# KiCad board LizardBot1_ControlBoard_v1.kicad_pcb (continued)
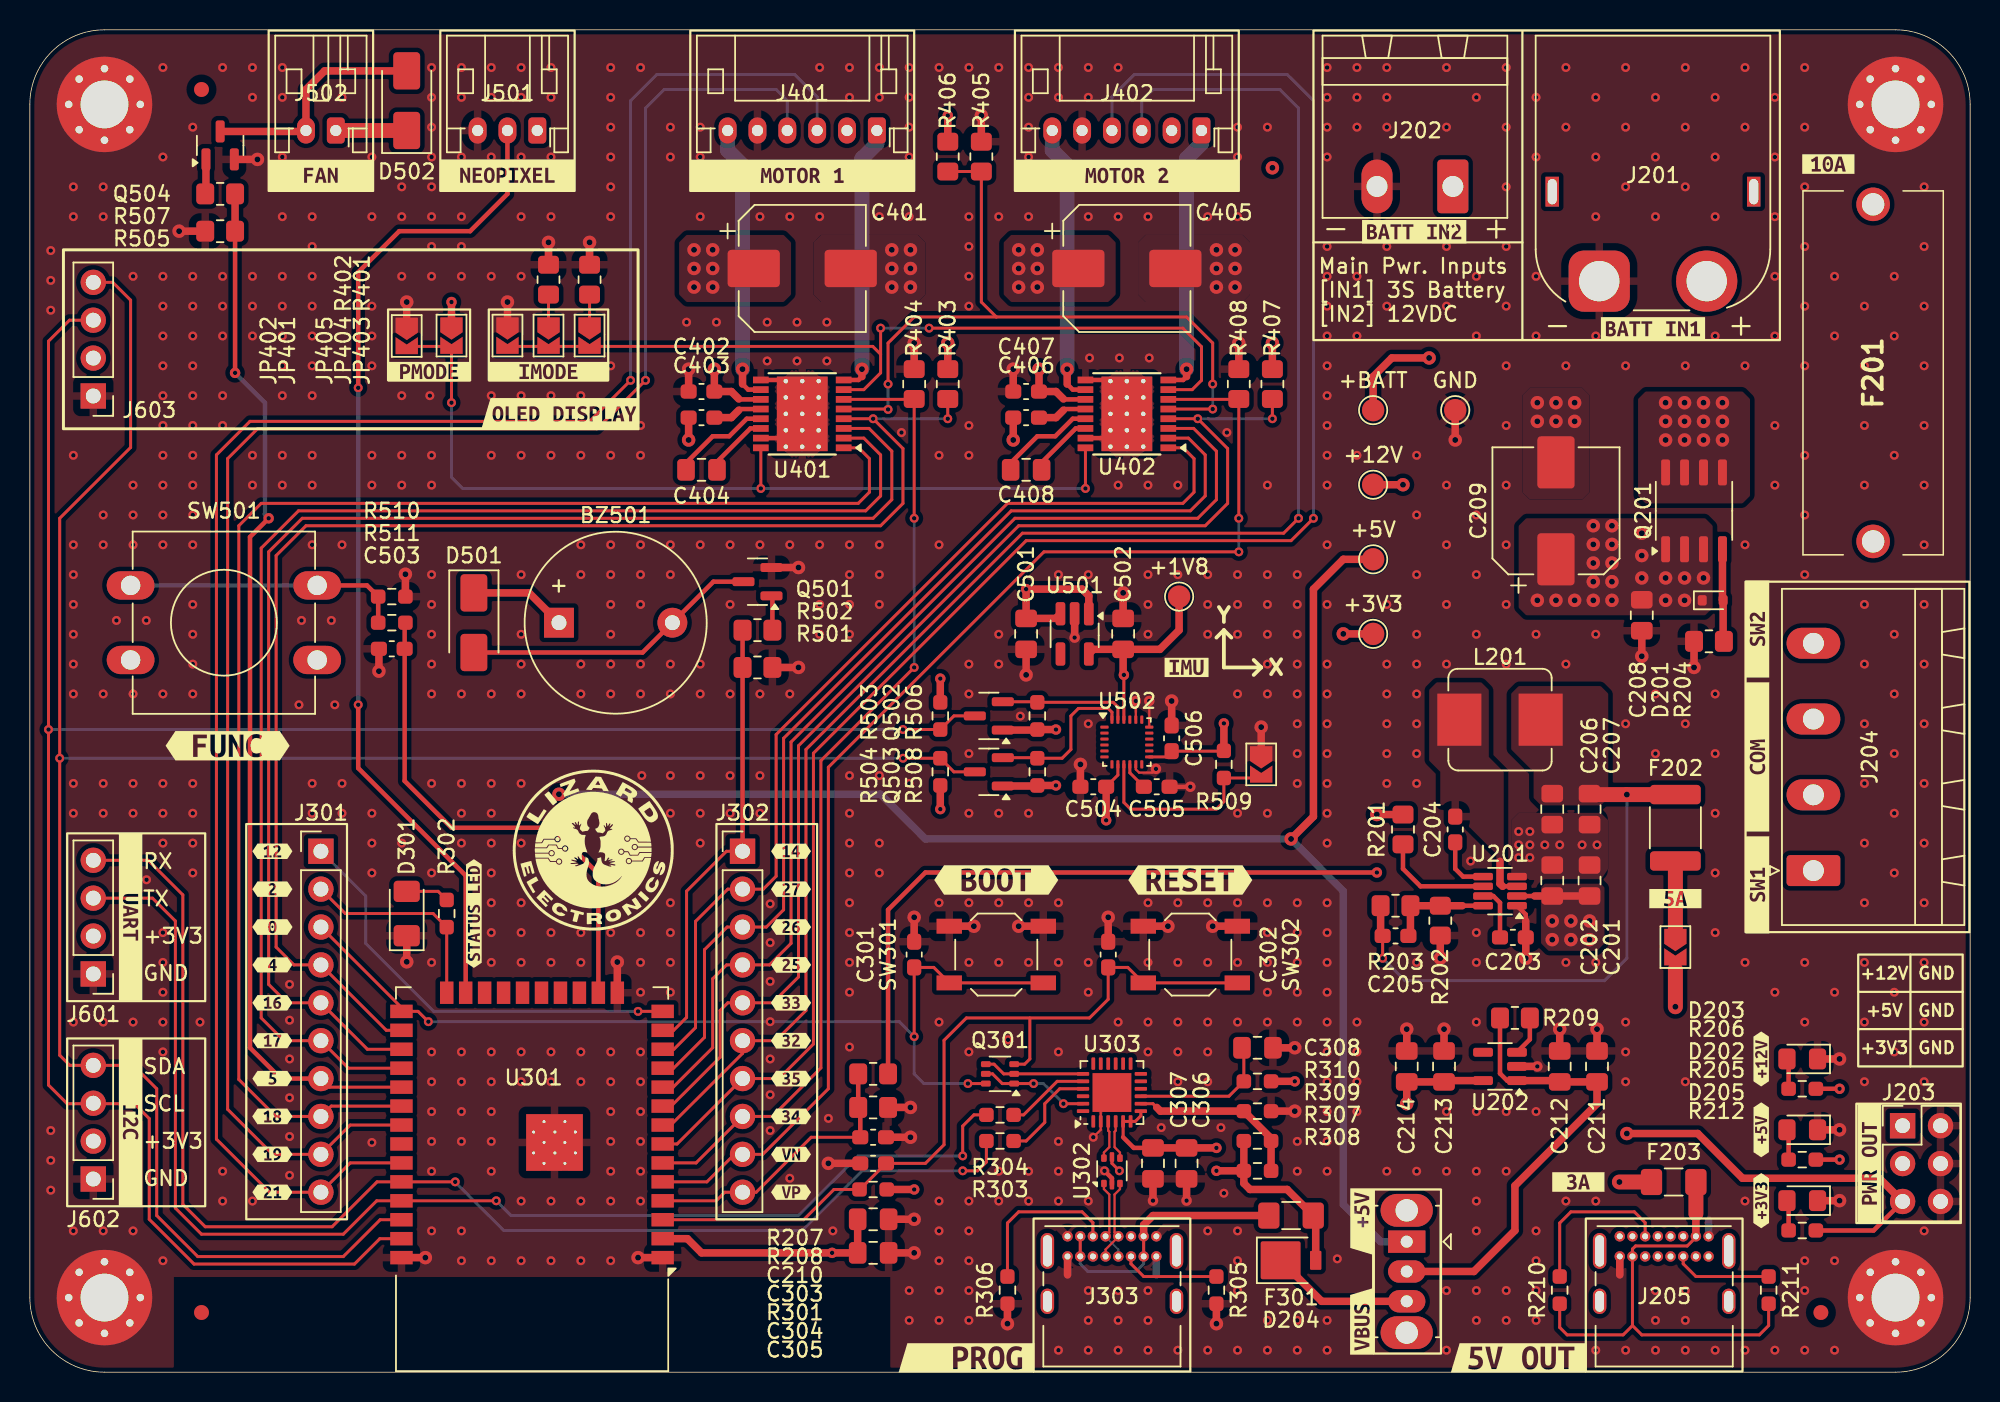
[diagram p0: board, top side]
## Routing (per net, layer and track width the routed paths; a pad name or vN(x,y) marks a point on that pad's centre or on a via; arc(x,y) is an arc through that point) (continued)
VBUS: length 20.7
  Top w0.2: U302.5 72.5,14 v3(73,13.5)
  Top w0.5: R308.1 R307.1 ; R308.1 81.34,12.66 81.75,12.25 84.24,12.25 F301.2 ; R308.1 v2(79.5,13.5) ; D204.2 86.15,10.34
  In2.Cu w0.5: v2(79.5,13.5) v3(73,13.5)
+BATT: length 6.5
  Top w0.5: TP101.1 90,66.75 91.25,68 v1(93.75,68)
/Communication_Interfaces/MCU_RXD0: length 87.6
  Top w0.2: v3(28.5,12.76) U301.34 23.26,12.76 20.25,9.75 11.75,9.75 10.25,11.25 10.25,32 7.93,34.32 J601.4 ; v3(62.5,13.5) 63.5,13.5 64.09,14.09 64.09,15
  Bottom w0.2: 28.5,12.75 31.75,9.5 51.75,9.5 55.75,13.5 v3(62.5,13.5)
/Communication_Interfaces/MCU_SCL: length 149.2
  Top w0.2: J603.3 2.66,70.53 1.25,69.12 1.25,19.25 2.5,18 7,18 8,17 8,10.25 11,7.25 21.75,7.25 23.45,8.95 U301.37 ; v3(58.5,43.09) R503.2 61.91,44 Q502.3
  Bottom w0.2: v3(1.25,43.09) v3(58.5,43.09)
/Communication_Interfaces/MCU_SDA: length 151.8
  Top w0.2: v3(58.5,41.16) R504.2 61.91,40.25 Q503.3 ; U301.36 23.47,10.22 21,7.75 11.25,7.75 8.5,10.5 8.5,19 6.93,20.57 J602.4 2.68,20.57 2,21.25 2,57.25 6.75,62 6.75,71.88 5.56,73.07 J603.4
  Bottom w0.2: v3(2,41.16) v3(58.5,41.16)
/Communication_Interfaces/MCU_TXD0: length 85.8
  Top w0.2: v3(31.25,11.49) U301.35 23.24,11.49 21,9.25 11.5,9.25 9.75,11 9.75,30.25 8.22,31.78 J601.3 ; v3(62.5,14.5) 62.5,16.5 63.25,17.25 R304.1
  Bottom w0.2: 31.25,11.5 v3(31.25,11.49) 32.24,10.5 51.5,10.5 55.5,14.5 v3(62.5,14.5)
/MCU/CP_DTR: length 7.3
  Top w0.2: v3(67.25,19.35) Q301.1 65.15,19.35 64.5,20 Q301.5 ; U303.23 v3(69.25,18)
  Bottom w0.2: v3(67.25,19.35) 67.9,19.35 v3(69.25,18)
/MCU/CP_RST: length 9.6
  Top w0.2: C308.1 81.34,21.62 R310.2 80.34,18.5 U303.9
/MCU/CP_RTS: length 6.8
  Top w0.2: Q301.4 64.6,20.65 65.25,20 Q301.2 U303.19
/MCU/CP_RXD: length 5.6
  Top w0.2: U303.20 68.83,19.5 66.58,17.25 R304.2
/MCU/CP_TXD: length 6.8
  Top w0.2: R303.2 66.75,15.5 68,16.75 68,18 69,19 U303.21
/MCU/CP_USBC_DN: length 2.6
  Top w0.15: U303.4 72.75,16.19 72.68,16.12 72.68,15.09 73.04,14.73 U302.4
/MCU/CP_USBC_DP: length 2.6
  Top w0.15: U303.3 72.25,16.19 72.32,16.12 72.32,15.09 71.96,14.73 U302.6
/MCU/CP_VBUS: length 11.9
  Top w0.2: U303.8 75.25,18 75.5,17.75
  Top w0.5: 75.5,17.75 75.75,17.5 R309.1 83.16,15.68 R307.2 R308.2
/MCU/DRV1_EN_IN1: length 96.8
  Top w0.2: U401.1 55.53,61.97 56.25,61.25 56.25,59 55.5,58.25 15.5,58.25 14,56.75 14,19.62 16.48,17.15 J301.8 20.19,17.84 U301.30
/MCU/DRV1_IPROPI: length 65.4
  Top w0.2: U301.6 44.63,14.03 J302.8 49.75,17.15 53,20.4 53,41 v3(59.25,47.25) ; v3(59.25,57.25) R404.1 59.22,65.22 U401.6
  Bottom w0.2: v3(59.25,57.25) v3(59.25,47.25)
/MCU/DRV1_nFAULT: length 95.2
  Top w0.2: U401.4 v3(56.5,63.92) 58.5,61.92 58.5,58.25 57,56.75 18.5,56.75 16.5,54.75 16.5,28.5 17.69,27.31 J301.4 23.89,22.92 U301.26 ; v3(61.5,63.92) R403.2
  Bottom w0.2: v3(56.5,63.92) v3(61.5,63.92)
/MCU/DRV1_nSLEEP: length 90
  Top w0.2: U301.27 22.61,21.65 J301.5 17.23,24.77 16,26 16,55 18.25,57.25 56.5,57.25 57.75,58.5 57.75,61.75 56.22,63.28 U401.3
/MCU/DRV1_PH_IN2: length 90.9
  Top w0.2: U301.28 21.34,20.38 J301.6 17.03,22.22 15.5,23.75 15.5,55.25 18,57.75 56,57.75 57,58.75 57,61.5 55.88,62.62 U401.2
/MCU/DRV2_EN_IN1: length 65.1
  Top w0.2: U402.1 77.28,61.97 78,61.25 78,59 77.25,58.25 65.5,58.25 50,42.75 50,33.25 49.13,32.39 J302.2 46.76,32.39 44.6,30.22 44.6,23.1 43.15,21.65 U301.12
/MCU/DRV2_IPROPI: length 83.7
  Top w0.2: U301.5 45.36,12.76 47.21,14.6 J302.9 49.1,14.6 53.5,19 53.5,40.56 67.94,55 v3(81,55) ; U402.6 80.97,65.22 R408.1 v3(81,57.25)
  Bottom w0.2: v3(81,57.25) v3(81,55)
/MCU/DRV2_nFAULT: length 80.4
  Top w0.2: v3(78.25,63.92) 80.25,61.92 80.25,58.25 78.75,56.75 66.25,56.75 51.5,42 51.5,26.5 49.76,24.77 J302.5 46.76,24.77 46.25,24.25 46.25,21.12 42.97,17.84 U301.9 ; v3(78.25,63.92) U402.4 ; v3(78.25,63.92) 78.32,63.92 ; v3(83.25,63.92) R407.2
  Bottom w0.2: v3(78.25,63.92) v3(83.25,63.92)
/MCU/DRV2_nSLEEP: length 71.1
  Top w0.2: U402.3 77.97,63.28 79.5,61.75 79.5,58.5 78.25,57.25 66,57.25 51,42.25 51,28.75 49.56,27.31 J302.4 46.68,27.31 45.75,26.38 45.75,21.75 43.1,19.11 U301.10
/MCU/DRV2_PH_IN2: length 68.1
  Top w0.2: U301.11 43.13,20.38 45.2,22.45 45.2,28.33 46.72,29.84 J302.3 49.34,29.84 50.5,31 50.5,42.5 65.75,57.75 77.75,57.75 78.75,58.75 78.75,61.5 77.62,62.62 U402.2
/MCU/ENC1_A: length 118.1
  Top w0.2: v3(41.25,66.5) 38,63.25 15.25,63.25 13.25,61.25 13.25,17.62 16.27,14.6 J301.9 21.47,16.57 U301.31
  Bottom w0.2: v3(41.25,66.5) 41.25,84.75 42.5,86 50,86 50.75,85.25 J401.4
/MCU/ENC1_B: length 125.2
  Top w0.2: U301.33 21.47,14.03 J301.10 16.06,12.06 12.5,15.62 12.5,61.5 14.75,63.75 37.5,63.75 v3(40.25,66.5)
  Bottom w0.2: v3(40.25,66.5) 40.25,85.25 42,87 51.25,87 52.75,85.5 J401.3
/MCU/ENC2_A: length 117.5
  Top w0.2: v3(86,57.25) 84.5,55.75 66.75,55.75 52.5,41.5 52.5,22 50.19,19.69 J302.7 43.37,15.3 U301.7
  Bottom w0.2: v3(86,57.25) 86,85.25 84.25,87 74,87 72.5,85.5 J402.4
/MCU/ENC2_B: length 111
  Top w0.2: v3(85,57.25) 84,56.25 66.5,56.25 52,41.75 52,24.25 49.97,22.22 J302.6 47.75,21.38 42.94,16.57 U301.8
  Bottom w0.2: J402.3 74.5,85.25 75.25,86 83.75,86 85,84.75 v3(85,57.25)
/MCU/MCU_BAT_STATUS: length 19.3
  Top w0.2: C210.1 52.35,15.75 48.66,12.06 J302.10 46.56,12.06 45.99,11.49 U301.4
  Top w0.3: R207.2 R208.1 55.64,17.61 C210.1
/MCU/MCU_BUTTON: length 34.2
  Top w0.3: U301.16 38.09,33.41 35,36.5 28.25,36.5 25.11,39.64 C503.1 ; 25.16,48.55 C503.1 ; C503.1 25.11,50.2 R511.2
/MCU/MCU_BUZZER: length 30.1
  Top w0.2: J302.1 46.68,34.92 44,32.25 44,23.78 43.13,22.92 U301.13
  Top w0.3: J302.1 R501.1 R502.1
/MCU/MCU_EN: length 55.2
  Top w0.2: 67,23.75 67,21 66.65,20.65 Q301.3 ; U301.3 51.84,10.22 53.88,12.25 R301.2 55.61,12.25 C303.2 60,14 61.25,15.25 61.25,22.25 62.75,23.75 71,23.75 72.25,25 C302.2 73.56,27.14 SW302.2 SW302.2
/MCU/MCU_FAN_PWM: length 70.7
  Top w0.2: J301.7 20.08,19.11 U301.29
  Top w0.3: J301.7 16.81,19.69 14.75,21.75 14.75,56 v2(16,57.25) ; 13.75,77.25 v2(13.75,67)
  Top w0.5: R507.1 R505.1
  Bottom w0.3: v2(13.75,67) 15.75,65 15.75,57.5 v2(16,57.25)
/MCU/MCU_IO0: length 64.2
  Top w0.2: v3(59.25,22.5) C301.2 60.56,27.14 SW301.2 SW301.2 ; J301.3 24.9,24.44 U301.25 26.01,24.19 v3(26.7,23.5) ; v3(62.85,19.35) Q301.6
  Bottom w0.2: v3(62.85,19.35) 59.9,19.35 59.25,20 v3(59.25,22.5) 58.25,23.5 v3(26.7,23.5)
/MCU/MCU_IO2_LED: length 13.9
  Top w0.2: U301.24 R302.1 27.02,30.75 21.14,30.75 J301.2
/MCU/MCU_IO12_RES: length 29.4
  Top w0.2: U301.14 v3(40.75,24.19)
  Bottom w0.2: v3(40.75,24.19) 27.06,24.19 22.5,28.75 22.5,31.92 J301.1
  Bottom w0.3: 40.75,24.12 40.62,24.25
/MCU/MCU_NEOPIXEL: length 67.7
  Top w0.3: J501.2 32,79 29.5,76.5 24.75,76.5 22,73.75 v3(22,66) ; v3(22,44.75) 22,40.5 29.2,33.3 U301.23
  Bottom w0.3: v3(22,66) v3(22,44.75)
/MCU/USBC_CC1: length 10.8
  Top w0.2: R306.1 65.5,10 66.25,10.75 70.5,10.75 71.22,10.03 J303.A5
/MCU/USBC_CC2: length 6.6
  Top w0.2: R305.1 74.63,6.41 73.78,7.27 J303.B5
/MCU/USBC_DN: length 5.5
  Top w0.15: J303.B7 72.07,8.23 72.93,9.08 J303.A7 72.68,9.36 72.68,11.91 73.04,12.27 U302.3
/MCU/USBC_DP: length 5.5
  Top w0.15: U302.1 71.96,12.27 72.32,11.91 72.32,9.36 J303.A6
  Bottom w0.15: J303.B6 72.93,8.23 72.07,9.08 J303.A6
/MCU/USBC_VBUS: length 17.8
  Top w0.2: J303.A4 J303.B9 ; J303.A9 J303.B4
  Top w0.5: F301.1 75.25,10.5 74.62,9.88 J303.A9
  Bottom w0.2: J303.B9 70.38,7.27 70.89,6.75 74.11,6.75 74.62,7.27 J303.B4
/Motor_Driver/DRV1_CPH: length 6.7
  Top w0.3: C404.2 43.96,60.96 45.75,62.75 46.86,62.75 48.03,63.92 U401.13
/Motor_Driver/DRV1_CPL: length 4.4
  Top w0.3: C404.1 46.04,61.04 48.28,63.28 U401.14
/Motor_Driver/DRV1_OUT1: length 18.2
  Top w0.3: U401.8 55.53,66.53 55.75,66.75
  Top w0.5: 55.75,66.75 v1(55.75,67.25)
  Bottom w1: v1(55.75,67.25) 55.75,81.38 56.75,82.38 J401.1
/Motor_Driver/DRV1_OUT2: length 18.8
  Top w0.3: 47.75,66.25 48.12,65.88 U401.10
  Top w0.5: 47.75,66.25 v1(47.75,67.25)
  Bottom w1: v1(47.75,67.25) 47.75,80.92 46.75,81.92 J401.6
/Motor_Driver/DRV1_VCP: length 3.4
  Top w0.3: 47.5,64.5 47.57,64.58 U401.12
  Top w0.5: 47.5,64.5 47,64 C403.2
/Motor_Driver/DRV2_CPH: length 6.7
  Top w0.3: C408.2 65.71,60.96 67.5,62.75 68.7,62.75 69.87,63.92 U402.13
/Motor_Driver/DRV2_CPL: length 4.4
  Top w0.3: C408.1 67.79,60.99 70.07,63.28 U402.14
/Motor_Driver/DRV2_OUT1: length 18.2
  Top w0.3: U402.8 77.28,66.53 77.5,66.75
  Top w0.5: 77.5,66.75 v1(77.5,67.25)
  Bottom w1: J402.1 78.5,82.38 77.5,81.38 v1(77.5,67.25)
/Motor_Driver/DRV2_OUT2: length 18.8
  Top w0.3: 69.5,66.25 69.88,65.88 U402.10
  Top w0.5: 69.5,66.25 v1(69.5,67.25)
  Bottom w1: v1(69.5,67.25) 69.5,80.92 68.5,81.92 J402.6
/Motor_Driver/DRV2_VCP: length 3.4
  Top w0.3: U402.12 69.32,64.58 69.25,64.5
  Top w0.5: 69.25,64.5 68.75,64 C407.2
/Motor_Driver/DRV_IMODE: length 57.9
  Top w0.2: U401.7 55.88,65.88 57,67 57,68.25 ; 57,68.25 56.47,68.78 JP403.2 JP404.2 JP405.2 ; 57,68.25 v3(57,70) ; v3(60.25,70) 77.25,70 78.5,68.75 78.5,66.5 77.88,65.88 U402.7
  Bottom w0.2: v3(57,70) v3(60.25,70)
/Motor_Driver/DRV_PMODE: length 60.3
  Top w0.2: U401.16 v3(48.97,59.25) ; v3(28.25,65) JP401.2 25.28,68.78 JP402.2 25.5,68.75 ; v3(70.72,59.25) U402.16
  Bottom w0.2: v3(70.72,59.25) 29,59.25 28.25,60 v3(28.25,65)
/Motor_Driver/DRV_VREF: length 50.4
  Top w0.2: v3(57.5,66.25) 57.5,69 59.25,70.75 64.75,70.75 ; 64.75,70.75 63.75,71.75 R406.1 R405.2 ; 64.75,70.75 77.5,70.75 79.25,69 v3(79.25,66.25) ; v3(57.5,64.55) 57.47,64.58 U401.5 ; U402.5 v3(79.25,64.58)
  Bottom w0.2: v3(79.25,64.58) v3(79.25,66.25) ; v3(57.5,64.55) v3(57.5,66.25)
/Peripherals/BUZZER_GND: length 20
  Top w0.3: D501.2 41.05,48.25 BZ501.2 45.8,53 Q501.3
/Peripherals/FAN_GND: length 15.8
  Top w0.5: Q504.3 18.44,83.19 J502.2 18.5,86 19.75,87.25 D502.2
/Peripherals/IMU_ADR: length 13.8
  Top w0.2: JP501.2 82.31,39.84 R509.2 80,38.25 79.5,37.75 73.75,37.75 73.3,38.2 U502.9
/Peripherals/IMU_SCL: length 8.7
  Top w0.2: U502.23 72.9,44.6 72.59,44.91 R506.2 67.46,44.95 Q502.2
/Peripherals/IMU_SDA: length 10.6
  Top w0.2: U502.24 72.5,44.25 72.25,44.5 70.25,44.5 69.75,44 69.75,41.75 69.16,41.16 R508.2 67.46,41.2 Q503.2
/Power_Supply/BUCK_5V: length 37.9
  Top w0.2: C205.2 v3(90.64,27.75)
  Top w0.5: R203.2 90.5,29.39 C205.2
  Top w1: C207.1 104.56,38.72 v1(107,38.72) F202.1
  Bottom w0.2: v3(90.64,27.75) 92.14,26.25 105.5,26.25 107,27.75 v1(107,38.72)
/Power_Supply/BUCK_BST: length 3.9
  Top w0.3: U201.5 96.03,33.22 95.5,33.75 C204.1
/Power_Supply/BUCK_EN: length 7.5
  Top w0.3: U201.6 93.18,32.58 92,33.75 R201.2
/Power_Supply/BUCK_FB: length 6.9
  Top w0.3: U201.8 96.03,31.28 96,31.25
  Top w0.5: C205.1 92.5,29.39 R203.1 R202.1 95.97,31.28
/Power_Supply/BUCK_SW: length 2.7
  Top w0.3: U201.3 98.68,32.58
  Top w0.5: 98.68,32.58 98.5,32.75 98.5,34.25
/Power_Supply/BUCK_VCC: length 3.6
  Top w0.3: C203.1 98.5,31.48 98.05,31.92 U201.7
/Power_Supply/E_SWITCH:
  vias: v1(109.59,65) v1(109.59,63.75) v1(109.59,62.5) v1(110.87,65) v1(110.87,63.75) v1(110.87,62.5) v1(112.13,65) v1(112.13,63.75) v1(112.13,62.5) v1(113.41,65) v1(113.41,63.75) v1(113.41,62.5)
/Power_Supply/LDO_EN: length 2.7
  Top w0.3: U202.3 100.5,22.31 R209.1
/Power_Supply/LDO_VIN: length 30.8
  Top w0.3: R209.2 98.5,20.03 98.98,19.55 U202.1
  Top w0.5: U202.1 102.16,19.55 102.25,19.46 104.75,19.46 ; C211.1 105,18 99.5,12.5 99.5,9.5 96.75,6.75 SW201.2
Net-(D201-A): length 6.2
  Top w0.5: Q201.4 113.41,51.8 D201.2 113.45,49.05 R204.1
Net-(D202-A): length 2
  Top w0.3: R205.2 117.84,16.14 D202.2
Net-(D203-A): length 2
  Top w0.3: R206.2 117.84,20.89 D203.2
Net-(D204-K): length 9.6
  Top w0.5: SW201.3 86.55,4.75 D204.1
Net-(D205-A): length 2
  Top w0.3: R212.2 117.84,11.39 D205.2
Net-(D301-A): length 2.9
  Top w0.2: D301.2 27.36,32.24 R302.2
Net-(F203-Pad1): length 31.4
  Top w0.2: 107.38,3.12 106.75,2.5 103,2.5 102.5,3 R210.1 ; 107.38,3.12 108,2.5 115.88,2.5 116.5,3.12 R211.1 ; 107.38,3.12 J205.B9 107.38,8.25 107.58,8.46 111.04,8.46 111.62,9.04 J205.A9
  Top w0.5: J205.A9 111.62,10.62
  Top w1: F203.1 111.62,10.62
Net-(J205-CC1): length 10.8
  Top w0.2: R210.2 102.5,10 103.25,10.75 107.5,10.75 108.22,10.03 J205.A5
Net-(J205-CC2): length 6.6
  Top w0.2: J205.B5 110.78,7.27 111.63,6.41 R211.2
Net-(JP201-A): length 5.1
  Top w1: F202.2 JP201.1
Net-(JP403-A): length 2.3
  Top w0.2: JP403.1 37.5,72.5
Net-(JP404-A): length 2
  Top w0.2: JP404.1 R402.1
Net-(Q501-G): length 2.3
  Top w0.3: Q501.1 49.75,51.99 R502.2
Net-(Q504-G): length 2.3
  Top w0.5: Q504.1 11.8,79.05 R507.2
Net-(R510-Pad1): length 18.6
  Top w0.3: SW501.2 22.59,52.75 R510.1 R511.1
  Bottom w0.3: SW501.2 SW501.2
Net-(U502-REGOUT): length 1.9
  Top w0.2: U502.10 73.7,40.19 C505.1

## Copper pours and planes (outline as drawn; the poured copper is in the pictures)
+3V3 on In2.Cu: 92.25,90.5 37,90.5 37,75.5 -0.5,75.5 -0.5,-0.5 88.75,-0.5 88.75,15.5 108,15.5 108,25.5 88.75,25.5 88.75,57.75 42.5,57.75 42.5,80 92.25,80
+5V on In2.Cu: 108.5,25.5 113.75,25.5 113.75,15 130.5,15 130.5,-0.5 89.25,-0.5 89.25,15 108.5,15
+5V on In2.Cu: -0.5,90.5 36.5,90.5 36.5,76 -0.5,76
+12V on Top: 43.5,75.75 44,76.25 50.5,76.25 51,75.75 51,72.25 50.5,71.75 44,71.75 43.5,72.25
+12V on Top: 100.25,57.25 99.75,56.75 99.75,51.25 100.25,50.75 112.25,50.75 112.75,51.25 112.75,56.75 112.25,57.25
+12V on Top: 101.25,32.5 101.5,32.75 105.25,32.75 105.5,32.5 105.5,28.75 105,28.25 101.75,28.25 101.25,28.75
+12V on Top: 65.25,75.75 65.75,76.25 72.25,76.25 72.75,75.75 72.75,72.25 72.25,71.75 65.75,71.75 65.25,72.25
+12V on In2.Cu: 130.5,29 130.5,15.5 114.25,15.5 114.25,26 89.25,26 89.25,58.25 43,58.25 43,79.5 92.25,79.5 92.25,65.75 107.25,65.75 107.25,57.75 116.25,57.75 116.25,29
GND on Top: 105.25,37.5 105.75,37 105.75,33.75 105.25,33 99.25,33 99.25,37 99.75,37.5
GND on Top: 74.25,75.75 74.75,76.25 81.25,76.25 81.75,75.75 81.75,72.25 81.25,71.75 74.75,71.75 74.25,72.25
GND on Top: 100.5,58.5 100,59 100,65.5 100.5,66 104,66 104.5,65.5 104.5,59 104,58.5
GND on Top: 52.5,75.75 53,76.25 59.5,76.25 60,75.75 60,72.25 59.5,71.75 53,71.75 52.5,72.25
GND on Top, Bottom, In1.Cu: -1,91 131,91 131,-1 -1,-1
+BATT on In2.Cu: 92.75,90.5 130.5,90.5 130.5,66.25 92.75,66.25
/Power_Supply/BUCK_5V on Top: 99.25,45.5 99.75,46 105.25,46 105.75,45.5 105.75,38.5 105.25,38 101.25,38 100.75,38.5 100.75,40.25 99.25,41.75
/Power_Supply/BUCK_SW on Top: 93.75,45.75 94.25,46.25 97.25,46.25 97.75,45.75 97.75,41.25 98.75,40.25 98.75,34 98.25,34 98.25,34.75 96.5,36.5 95,36.5 94.5,37 94.5,40.25 93.75,41
/Power_Supply/E_SWITCH on Top: 108.25,58.25 107.75,58.75 107.75,65.25 108.25,65.75 114.75,65.75 115.25,65.25 115.25,58.75 114.75,58.25
/Power_Supply/E_SWITCH on In2.Cu: 121.5,65.75 107.75,65.75 107.75,58.25 116.75,58.25 116.75,46.75 121.5,46.75
/Power_Supply/M_SWITCH on In2.Cu: 130.5,29.5 116.75,29.5 116.75,35.75 122,35.75 122,65.75 130.5,65.75
Net-(J204-Pin_2) on In2.Cu: 121.5,46 121.5,36.5 116.75,36.5 116.75,46

## Text on the board
B.Silkscreen: GND | +5V | DOUT | OUT2 | ENC2_A | ENC2_B | +3V3 | OUT1 | JLCJLCJLCJLC | LizardBot1 ESP32 Control Board, ver.1.0.0 / Developed by: Manuel Lagarto (2024)
F.Silkscreen: +12V | +5V | +3V3 | GND | Main Pwr. Inputs / [IN1] 3S Battery / [IN2] 12VDC | RX | TX | SDA | SCL | +1V8 | +BATT | Y | X | - | +
